# Altium PCB 10515.0500_Display_System（6拼版）_V1.0_20200907.PcbDoc (part 12 of 13)
Units mm, origin at the board's own origin, x right, y up, seen from the top; angles counter-clockwise.
Board outline 157 x 228.4 mm, 4 copper layers (Top Layer, Mid-Layer 1, Mid-Layer 2, Bottom Layer); 516 components, 0 nets, 1971 pads, 894 vias.
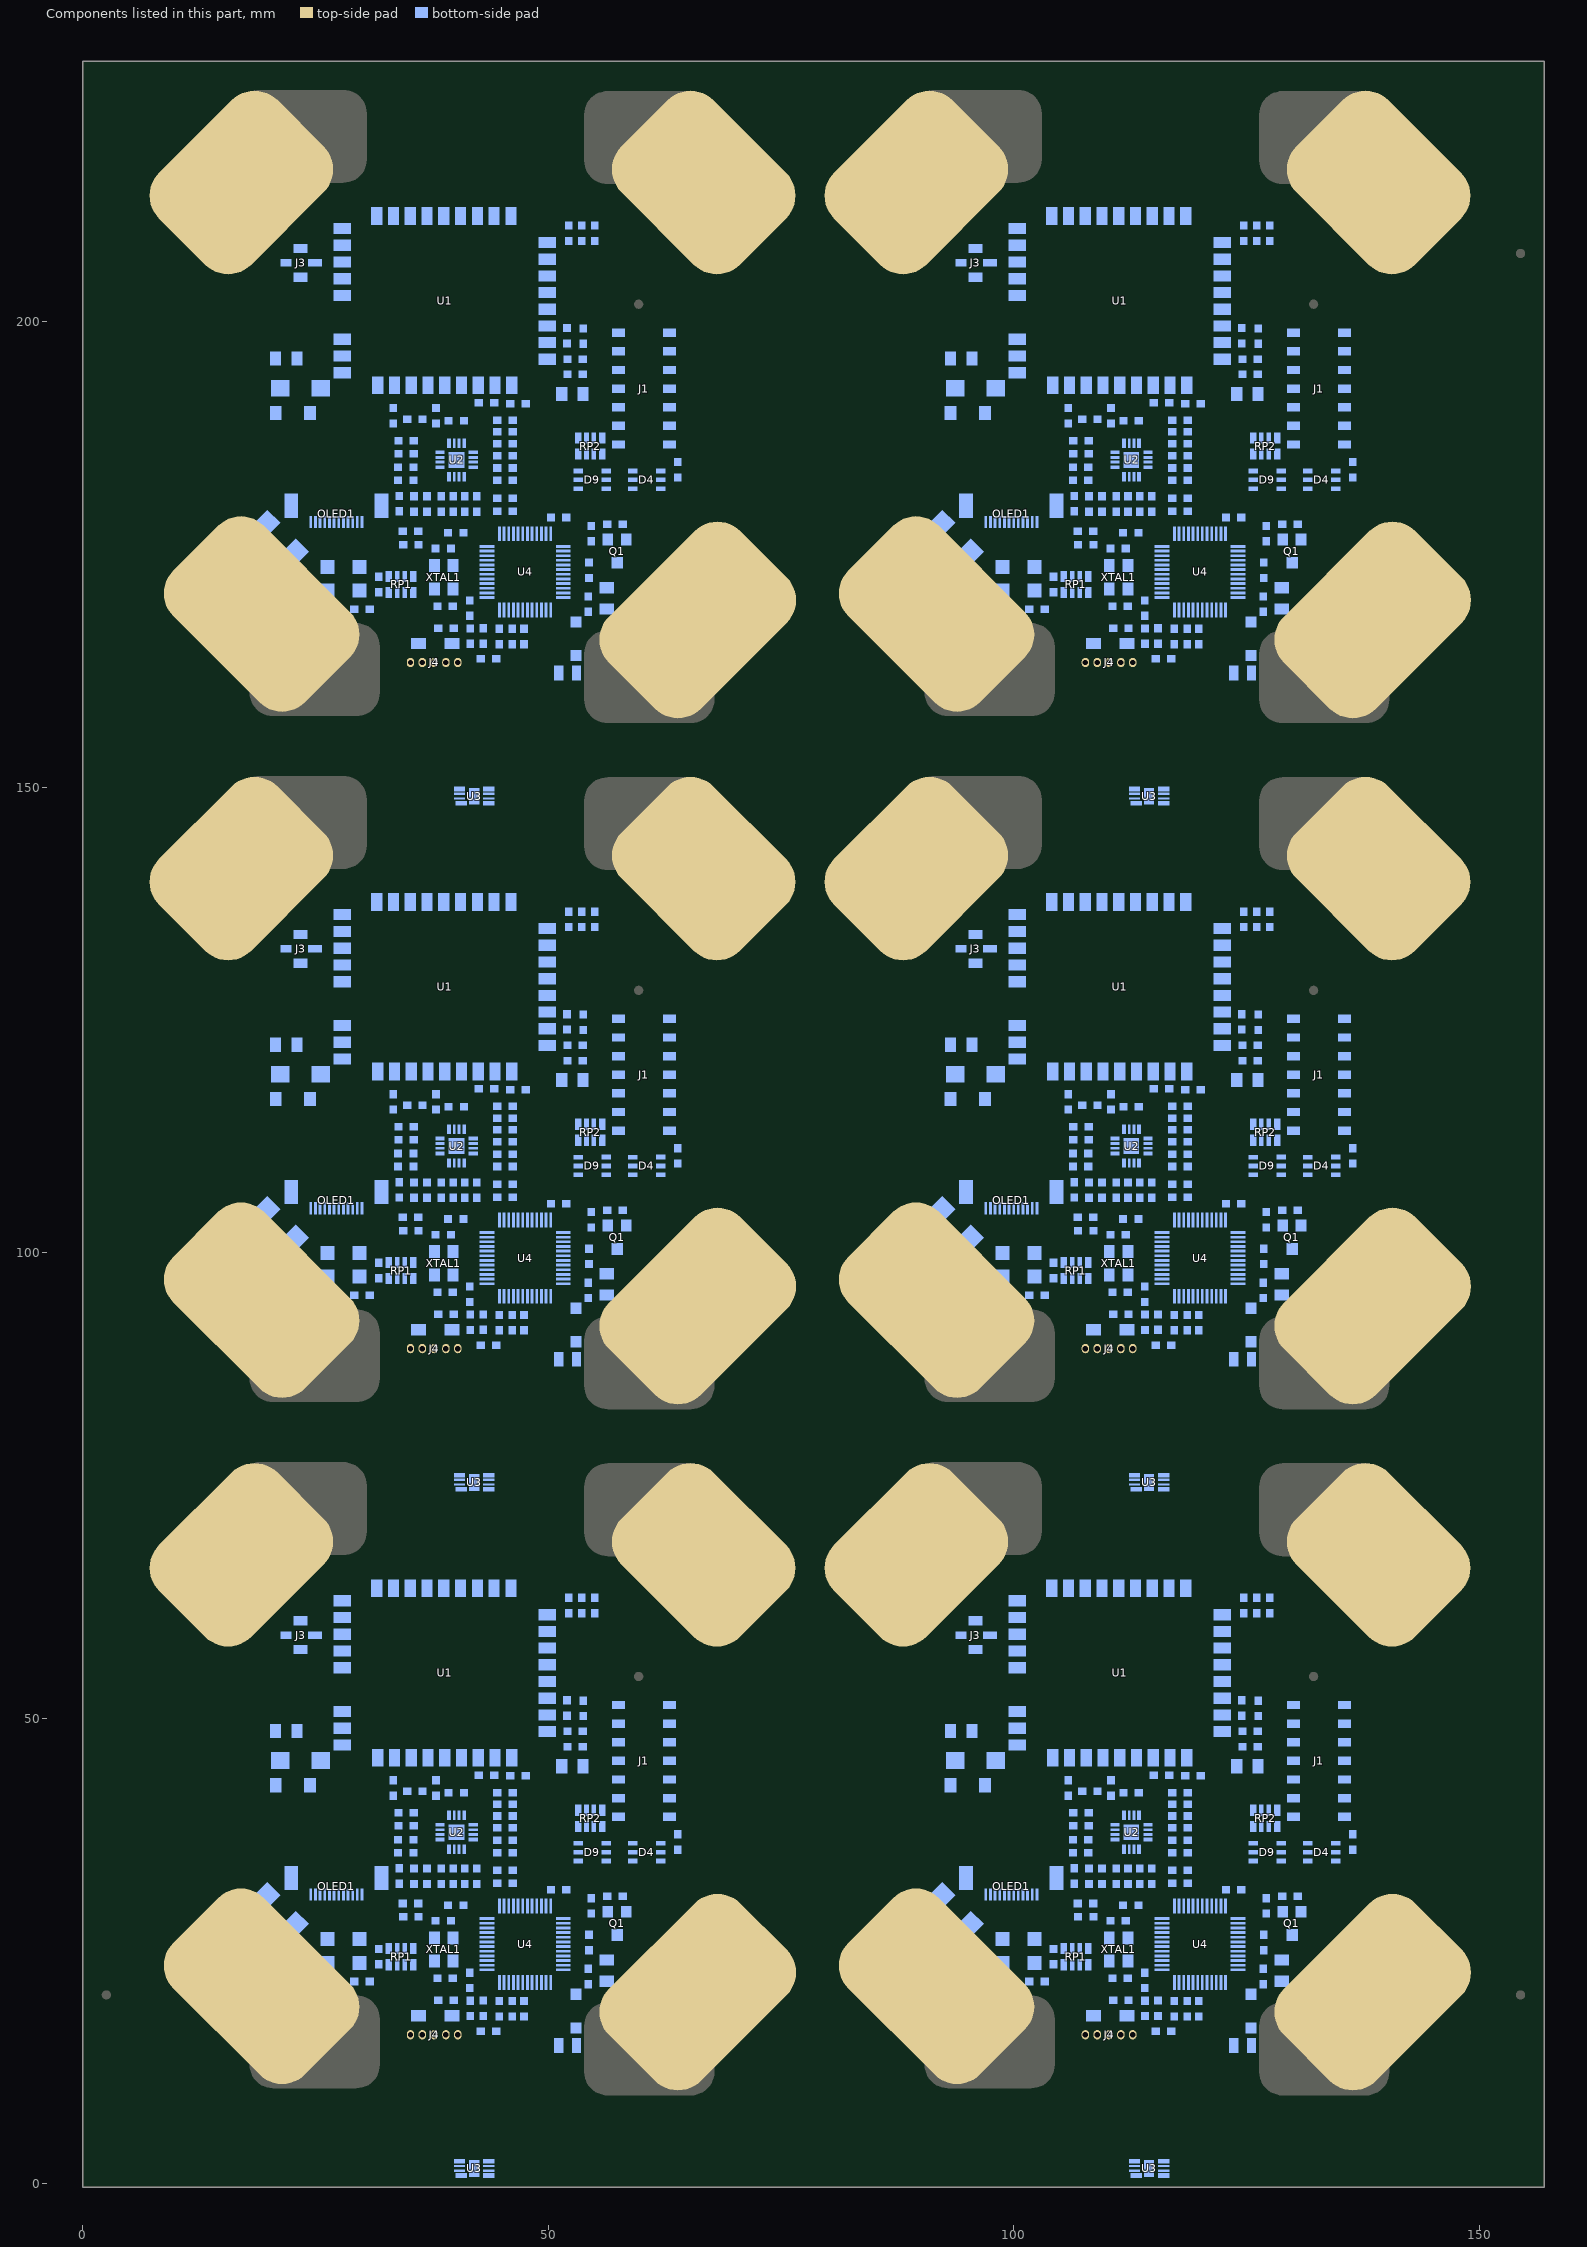
[diagram p14: the components of this part, seen from the top]

## Via types
v1: diameter 0.7, hole 0.4, Top Layer to Bottom Layer, tented both sides, 894 vias

## Nets (pads, with @x,y where several pads share a name; then routed paths per layer and width w, separated by ;. In a path a pad name is that pad's centre, name@x,y a point inside that pad or via, vN(x,y) a via of type N, cw(c..) or ccw(c..) an arc to the next point about the centre after c; other vN are vias at no path point) (continued)
copper on no net: (continued)
  Bottom Layer w0.65: 22.408,32.826 22.729,33.147 23.658,33.147 ; 22.408,106.526 22.729,106.847 23.658,106.847 ; 22.408,180.226 22.729,180.547 23.658,180.547 ; 22.579,33.591 24.103,33.591 ; 22.579,107.291 24.103,107.291 ; 22.579,180.991 24.103,180.991 ; 22.709,33.075 cw(c23.955,31.83) 23.955,33.591 ; 22.709,33.677 ccw(c23.866,34.834) 23.866,33.197 ; 22.709,106.775 cw(c23.955,105.53) 23.955,107.291 ; 22.709,107.377 ccw(c23.866,108.534) 23.866,106.897 ; 22.709,180.475 cw(c23.955,179.23) 23.955,180.991 ; 22.709,181.077 ccw(c23.866,182.234) 23.866,180.597 ; 22.757,33.618 ccw(c23.658,34.243) 23.658,33.147 ; 22.757,107.318 ccw(c23.658,107.943) 23.658,106.847 ; 22.757,181.018 ccw(c23.658,181.643) 23.658,180.547 ; 22.779,33.197 24.42,33.197 ; 22.779,106.897 24.42,106.897 ; 22.779,180.597 24.42,180.597 ; v1@23.768,36.304 cw(c22.192,34.729) 24.42,34.729 ; v1@23.768,36.34 ccw(c22.192,37.915) 24.42,37.915 ; v1@23.768,110.004 cw(c22.192,108.429) 24.42,108.429 ; v1@23.768,110.04 ccw(c22.192,111.615) 24.42,111.615 ; v1@23.768,183.704 cw(c22.192,182.129) 24.42,182.129 ; v1@23.768,183.74 ccw(c22.192,185.315) 24.42,185.315 ; 24.201,42.453 cw(c23.672,41.924) 24.42,41.924 cw(c25.169,41.924) 24.639,42.453 ; 24.201,116.153 cw(c23.672,115.624) 24.42,115.624 cw(c25.169,115.624) 24.639,116.153 ; 24.201,189.853 cw(c23.672,189.324) 24.42,189.324 cw(c25.169,189.324) 24.639,189.853 ; 24.42,33.909 24.103,33.591 ; 24.42,34.163 25.386,33.197 ; 24.42,42.799 24.42,33.197 ; 24.42,107.609 24.103,107.291 ; 24.42,107.863 25.386,106.897 ; 24.42,116.499 24.42,106.897 ; 24.42,181.309 24.103,180.991 ; 24.42,181.563 25.386,180.597 ; 24.42,190.199 24.42,180.597 ; v1@28.053,33.197 24.42,33.197 ; v1@28.053,106.897 24.42,106.897 ; v1@28.053,180.597 24.42,180.597 ; 29.429,24.024 ccw(c28.703,24.75) 29.729,24.75 ccw(c30.755,24.75) 30.03,24.024 ccw(c31.154,25.148) 31.154,23.558 ; 29.429,25.963 cw(c28.703,25.238) 29.729,25.238 cw(c30.755,25.238) 30.03,25.963 ; 29.429,97.724 ccw(c28.703,98.45) 29.729,98.45 ccw(c30.755,98.45) 30.03,97.724 ccw(c31.154,98.848) 31.154,97.258 ; 29.429,99.663 cw(c28.703,98.938) 29.729,98.938 cw(c30.755,98.938) 30.03,99.663 ; 29.429,171.424 ccw(c28.703,172.15) 29.729,172.15 ccw(c30.755,172.15) 30.03,171.424 ccw(c31.154,172.548) 31.154,170.958 ; 29.429,173.363 cw(c28.703,172.638) 29.729,172.638 cw(c30.755,172.638) 30.03,173.363 ; 29.729,26.264 29.729,23.724 29.894,23.558 31.786,23.558 ; 29.729,99.964 29.729,97.424 29.894,97.258 31.786,97.258 ; 29.729,173.664 29.729,171.124 29.894,170.958 31.786,170.958 ; v1(30.008,32.826) 32.108,32.826 ; v1(30.008,106.526) 32.108,106.526 ; v1(30.008,180.226) 32.108,180.226 ; 31.808,32.525 ccw(c31.082,31.8) 31.082,32.826 ccw(c31.082,33.852) 31.808,33.127 ; 31.808,106.225 ccw(c31.082,105.5) 31.082,106.526 ccw(c31.082,107.552) 31.808,106.827 ; 31.808,179.925 ccw(c31.082,179.2) 31.082,180.226 ccw(c31.082,181.252) 31.808,180.527 ; 33.844,33.884 35.558,33.884 35.596,33.846 36.993,33.846 ; 33.844,107.584 35.558,107.584 35.596,107.545 36.993,107.545 ; 33.844,181.284 35.558,181.284 35.596,181.245 36.993,181.245 ; 40.905,29.922 v1(40.905,30.836) ; 40.905,103.622 v1(40.905,104.536) ; 40.905,177.322 v1(40.905,178.236) ; 42.327,33.846 42.391,33.909 v1(43.216,33.909) ; 42.327,107.545 42.391,107.609 v1(43.216,107.609) ; 42.327,181.245 42.391,181.309 v1(43.216,181.309) ; 44.867,17.97 46.137,17.97 v1@46.137,17.272 ; 44.867,91.67 46.137,91.67 v1@46.137,90.972 ; 44.867,165.37 46.137,165.37 v1@46.137,164.672 ; 46.137,17.819 ccw(c47.065,17.819) v1@46.409,17.163 ; 46.137,91.519 ccw(c47.065,91.519) v1@46.409,90.863 ; 46.137,165.219 ccw(c47.065,165.219) v1@46.409,164.563 ; v1(49.566,44.45) 51.07,44.45 51.461,44.841 52.081,45.461 52.081,46.94 ; v1(49.566,118.15) 51.07,118.15 51.461,118.541 52.081,119.161 52.081,120.64 ; v1(49.566,191.85) 51.07,191.85 51.461,192.241 52.081,192.861 52.081,194.34 ; 49.898,50.357 49.989,50.267 52.029,50.267 52.081,50.215 52.081,48.591 52.081,46.94 ; 49.898,124.057 49.989,123.967 52.029,123.967 52.081,123.915 52.081,122.291 52.081,120.64 ; 49.898,197.757 49.989,197.667 52.029,197.667 52.081,197.615 52.081,195.991 52.081,194.34 ; 50.245,44.45 ccw(c50.245,45.896) 51.267,44.873 ; 50.245,118.15 ccw(c50.245,119.596) 51.267,118.573 ; 50.245,191.85 ccw(c50.245,193.296) 51.267,192.273 ; 50.443,50.551 ccw(c51.13,51.239) 51.13,50.267 ; 50.443,124.251 ccw(c51.13,124.939) 51.13,123.967 ; 50.443,197.951 ccw(c51.13,198.639) 51.13,197.667 ; 51.283,45.212 ccw(c49.812,46.94) 52.081,46.94 ; 51.283,118.912 ccw(c49.812,120.64) 52.081,120.64 ; 51.283,192.612 ccw(c49.812,194.34) 52.081,194.34 ; 51.704,44.717 ccw(c51.01,45.533) 52.081,45.533 ; 51.704,118.417 ccw(c51.01,119.233) 52.081,119.233 ; 51.704,192.117 ccw(c51.01,192.933) 52.081,192.933 ; 53.534,44.695 ccw(c54.386,45.926) 55.444,44.867 ; 53.534,118.395 ccw(c54.386,119.626) 55.444,118.567 ; 53.534,192.095 ccw(c54.386,193.326) 55.444,192.267 ; 53.553,44.485 cw(c53.083,44.015) 53.747,44.015 cw(c54.411,44.015) 53.942,44.485 ; 53.553,45.197 ccw(c53.083,45.667) 53.747,45.667 ccw(c54.411,45.667) 53.942,45.197 ; 53.553,118.185 cw(c53.083,117.715) 53.747,117.715 cw(c54.411,117.715) 53.942,118.185 ; 53.553,118.897 ccw(c53.083,119.367) 53.747,119.367 ccw(c54.411,119.367) 53.942,118.897 ; 53.553,191.885 cw(c53.083,191.415) 53.747,191.415 cw(c54.411,191.415) 53.942,191.885 ; 53.553,192.597 ccw(c53.083,193.067) 53.747,193.067 ccw(c54.411,193.067) 53.942,192.597 ; 53.732,50.203 53.747,50.188 53.747,44.841 ; 53.732,123.903 53.747,123.888 53.747,118.541 ; 53.732,197.603 53.747,197.588 53.747,192.241 ; v1@53.747,43.561 53.747,44.841 ; v1@53.747,43.571 54.025,43.293 55.267,43.293 57.392,45.418 ; v1@53.747,117.261 53.747,118.541 ; v1@53.747,117.271 54.025,116.993 55.267,116.993 57.392,119.118 ; v1@53.747,190.961 53.747,192.241 ; v1@53.747,190.971 54.025,190.693 55.267,190.693 57.392,192.818 ; v1(53.757,43.561) 54.9,43.561 ; v1(53.757,117.261) 54.9,117.261 ; v1(53.757,190.961) 54.9,190.961 ; v1@53.775,43.579 ccw(c54.465,44.268) v1@54.465,43.293 ; v1@53.775,117.279 ccw(c54.465,117.968) v1@54.465,116.993 ; v1@53.775,190.979 ccw(c54.465,191.668) v1@54.465,190.693 ; v1@53.779,43.549 cw(c54.602,43.075) 54.602,44.025 ; v1@53.779,117.249 cw(c54.602,116.775) 54.602,117.725 ; v1@53.779,190.949 cw(c54.602,190.475) 54.602,191.425 ; v1@53.846,43.561 cw(c53.846,42.633) v1@54.502,43.289 ; v1@53.846,117.261 cw(c53.846,116.333) v1@54.502,116.989 ; v1@53.846,190.961 cw(c53.846,190.033) v1@54.502,190.689 ; 53.904,45.229 ccw(c54.836,46.577) 55.995,45.418 ; 53.904,118.929 ccw(c54.836,120.277) 55.995,119.118 ; 53.904,192.629 ccw(c54.836,193.977) 55.995,192.818 ; v1@54.543,43.299 cw(c54.9,43.186) 54.9,43.561 ; v1@54.543,116.999 cw(c54.9,116.886) 54.9,117.261 ; v1@54.543,190.699 cw(c54.9,190.586) 54.9,190.961 ; v1@54.583,43.244 cw(c54.949,42.877) v1@55.266,43.287 ; v1@54.583,116.944 cw(c54.949,116.577) v1@55.266,116.987 ; v1@54.583,190.644 cw(c54.949,190.277) v1@55.266,190.687 ; v1@54.608,43.561 cw(c54.608,42.633) v1@55.264,43.289 ; v1@54.608,117.261 cw(c54.608,116.333) v1@55.264,116.989 ; v1@54.608,190.961 cw(c54.608,190.033) v1@55.264,190.689 ; 54.877,20.32 56.307,21.751 ; 54.877,94.02 56.307,95.451 ; 54.877,167.72 56.307,169.151 ; v1@55.257,43.299 ccw(c54.9,43.186) 54.9,43.561 ; v1@55.257,116.999 ccw(c54.9,116.886) 54.9,117.261 ; v1@55.257,190.699 ccw(c54.9,190.586) 54.9,190.961 ; v1@55.306,43.307 cw(c56.9,43.307) 55.773,44.434 ; v1@55.306,117.007 cw(c56.9,117.007) 55.773,118.134 ; v1@55.306,190.707 cw(c56.9,190.707) 55.773,191.834 ; 55.561,21.005 ccw(c54.815,21.751) 55.87,21.751 ; 55.561,94.705 ccw(c54.815,95.451) 55.87,95.451 ; 55.561,168.405 ccw(c54.815,169.151) 55.87,169.151 ; 55.924,24.2 cw(c55.281,24.675) v1(55.281,23.876) 56.147,23.876 56.307,24.037 ; 55.924,97.9 cw(c55.281,98.375) v1(55.281,97.576) 56.147,97.576 56.307,97.737 ; 55.924,171.6 cw(c55.281,172.075) v1(55.281,171.276) 56.147,171.276 56.307,171.437 ; 56.166,44.827 cw(c57.292,43.701) 57.292,45.293 ; 56.166,118.527 cw(c57.292,117.401) 57.292,118.993 ; 56.166,192.227 cw(c57.292,191.101) 57.292,192.693 ; 56.469,22.026 ccw(c56.469,22.969) 57.136,22.302 ; 56.469,95.726 ccw(c56.469,96.669) 57.136,96.002 ; 56.469,169.426 ccw(c56.469,170.369) 57.136,169.702 ; 56.47,24.312 ccw(c56.473,25.859) v1@57.567,24.765 ; 56.47,98.012 ccw(c56.473,99.559) v1@57.567,98.465 ; 56.47,171.712 ccw(c56.473,173.259) v1@57.567,172.165 ; 56.617,24.346 cw(c57.567,23.396) v1@57.567,24.74 ; 56.617,98.046 cw(c57.567,97.096) v1@57.567,98.44 ; 56.617,171.746 cw(c57.567,170.796) v1@57.567,172.14 ; 56.657,21.823 cw(c57.567,20.913) v1@57.567,22.2 ; 56.657,95.523 cw(c57.567,94.613) v1@57.567,95.9 ; 56.657,169.223 cw(c57.567,168.313) v1@57.567,169.6 ; 56.744,24.037 cw(c57.799,24.037) 57.053,24.783 ; 56.744,97.737 cw(c57.799,97.737) 57.053,98.483 ; 56.744,171.437 cw(c57.799,171.437) 57.053,172.183 ; 56.839,21.751 56.307,21.751 ; 56.839,95.451 56.307,95.451 ; 56.839,169.151 56.307,169.151 ; 57.007,45.033 ccw(c56.622,45.418) 57.167,45.418 ; 57.007,118.733 ccw(c56.622,119.118) 57.167,119.118 ; 57.007,192.433 ccw(c56.622,192.818) 57.167,192.818 ; 57.149,24.346 ccw(c56.198,25.297) v1@57.542,25.297 ; 57.149,98.046 ccw(c56.198,98.997) v1@57.542,98.997 ; 57.149,171.746 ccw(c56.198,172.697) v1@57.542,172.697 ; 57.542,47.418 63.054,47.418 ; 57.542,121.118 63.054,121.118 ; 57.542,194.818 63.054,194.818 ; v1@57.567,22.098 v1(57.567,22.733) 56.585,21.751 56.307,21.751 ; v1@57.567,95.798 v1(57.567,96.433) 56.585,95.451 56.307,95.451 ; v1@57.567,169.498 v1(57.567,170.133) 56.585,169.151 56.307,169.151 ; 94.908,32.826 95.229,33.147 96.158,33.147 ; 94.908,106.526 95.229,106.847 96.158,106.847 ; 94.908,180.226 95.229,180.547 96.158,180.547 ; 95.079,33.591 96.603,33.591 ; 95.079,107.291 96.603,107.291 ; 95.079,180.991 96.603,180.991 ; 95.209,33.075 cw(c96.455,31.83) 96.455,33.591 ; 95.209,33.677 ccw(c96.366,34.834) 96.366,33.197 ; 95.209,106.775 cw(c96.455,105.53) 96.455,107.291 ; 95.209,107.377 ccw(c96.366,108.534) 96.366,106.897 ; 95.209,180.475 cw(c96.455,179.23) 96.455,180.991 ; 95.209,181.077 ccw(c96.366,182.234) 96.366,180.597 ; 95.257,33.618 ccw(c96.158,34.243) 96.158,33.147 ; 95.257,107.318 ccw(c96.158,107.943) 96.158,106.847 ; 95.257,181.018 ccw(c96.158,181.643) 96.158,180.547 ; 95.279,33.197 96.92,33.197 ; 95.279,106.897 96.92,106.897 ; 95.279,180.597 96.92,180.597 ; v1@96.268,36.304 cw(c94.692,34.729) 96.92,34.729 ; v1@96.268,36.34 ccw(c94.692,37.915) 96.92,37.915 ; v1@96.268,110.004 cw(c94.692,108.429) 96.92,108.429 ; v1@96.268,110.04 ccw(c94.692,111.615) 96.92,111.615 ; v1@96.268,183.704 cw(c94.692,182.129) 96.92,182.129 ; v1@96.268,183.74 ccw(c94.692,185.315) 96.92,185.315 ; 96.701,42.453 cw(c96.172,41.924) 96.92,41.924 cw(c97.669,41.924) 97.139,42.453 ; 96.701,116.153 cw(c96.172,115.624) 96.92,115.624 cw(c97.669,115.624) 97.139,116.153 ; 96.701,189.853 cw(c96.172,189.324) 96.92,189.324 cw(c97.669,189.324) 97.139,189.853 ; 96.92,33.909 96.603,33.591 ; 96.92,34.163 97.886,33.197 ; 96.92,42.799 96.92,33.197 ; 96.92,107.609 96.603,107.291 ; 96.92,107.863 97.886,106.897 ; 96.92,116.499 96.92,106.897 ; 96.92,181.309 96.603,180.991 ; 96.92,181.563 97.886,180.597 ; 96.92,190.199 96.92,180.597 ; v1@100.553,33.197 96.92,33.197 ; v1@100.553,106.897 96.92,106.897 ; v1@100.553,180.597 96.92,180.597 ; 101.929,24.024 ccw(c101.203,24.75) 102.229,24.75 ccw(c103.255,24.75) 102.53,24.024 ccw(c103.654,25.148) 103.654,23.558 ; 101.929,25.963 cw(c101.203,25.238) 102.229,25.238 cw(c103.255,25.238) 102.53,25.963 ; 101.929,97.724 ccw(c101.203,98.45) 102.229,98.45 ccw(c103.255,98.45) 102.53,97.724 ccw(c103.654,98.848) 103.654,97.258 ; 101.929,99.663 cw(c101.203,98.938) 102.229,98.938 cw(c103.255,98.938) 102.53,99.663 ; 101.929,171.424 ccw(c101.203,172.15) 102.229,172.15 ccw(c103.255,172.15) 102.53,171.424 ccw(c103.654,172.548) 103.654,170.958 ; 101.929,173.363 cw(c101.203,172.638) 102.229,172.638 cw(c103.255,172.638) 102.53,173.363 ; 102.229,26.264 102.229,23.724 102.394,23.558 104.286,23.558 ; 102.229,99.964 102.229,97.424 102.394,97.258 104.286,97.258 ; 102.229,173.664 102.229,171.124 102.394,170.958 104.286,170.958 ; v1(102.508,32.826) 104.608,32.826 ; v1(102.508,106.526) 104.608,106.526 ; v1(102.508,180.226) 104.608,180.226 ; 104.308,32.525 ccw(c103.582,31.8) 103.582,32.826 ccw(c103.582,33.852) 104.308,33.127 ; 104.308,106.225 ccw(c103.582,105.5) 103.582,106.526 ccw(c103.582,107.552) 104.308,106.827 ; 104.308,179.925 ccw(c103.582,179.2) 103.582,180.226 ccw(c103.582,181.252) 104.308,180.527 ; 106.344,33.884 108.058,33.884 108.096,33.846 109.493,33.846 ; 106.344,107.584 108.058,107.584 108.096,107.545 109.493,107.545 ; 106.344,181.284 108.058,181.284 108.096,181.245 109.493,181.245 ; 113.405,29.922 v1(113.405,30.836) ; 113.405,103.622 v1(113.405,104.536) ; 113.405,177.322 v1(113.405,178.236) ; 114.827,33.846 114.891,33.909 v1(115.716,33.909) ; 114.827,107.545 114.891,107.609 v1(115.716,107.609) ; 114.827,181.245 114.891,181.309 v1(115.716,181.309) ; 117.367,17.97 118.637,17.97 v1@118.637,17.272 ; 117.367,91.67 118.637,91.67 v1@118.637,90.972 ; 117.367,165.37 118.637,165.37 v1@118.637,164.672 ; 118.637,17.819 ccw(c119.565,17.819) v1@118.909,17.163 ; 118.637,91.519 ccw(c119.565,91.519) v1@118.909,90.863 ; 118.637,165.219 ccw(c119.565,165.219) v1@118.909,164.563 ; v1(122.066,44.45) 123.57,44.45 123.961,44.841 124.581,45.461 124.581,46.94 ; v1(122.066,118.15) 123.57,118.15 123.961,118.541 124.581,119.161 124.581,120.64 ; v1(122.066,191.85) 123.57,191.85 123.961,192.241 124.581,192.861 124.581,194.34 ; 122.398,50.357 122.489,50.267 124.529,50.267 124.581,50.215 124.581,48.591 124.581,46.94 ; 122.398,124.057 122.489,123.967 124.529,123.967 124.581,123.915 124.581,122.291 124.581,120.64 ; 122.398,197.757 122.489,197.667 124.529,197.667 124.581,197.615 124.581,195.991 124.581,194.34 ; 122.745,44.45 ccw(c122.745,45.896) 123.767,44.873 ; 122.745,118.15 ccw(c122.745,119.596) 123.767,118.573 ; 122.745,191.85 ccw(c122.745,193.296) 123.767,192.273 ; 122.943,50.551 ccw(c123.63,51.239) 123.63,50.267 ; 122.943,124.251 ccw(c123.63,124.939) 123.63,123.967 ; 122.943,197.951 ccw(c123.63,198.639) 123.63,197.667 ; 123.783,45.212 ccw(c122.312,46.94) 124.581,46.94 ; 123.783,118.912 ccw(c122.312,120.64) 124.581,120.64 ; 123.783,192.612 ccw(c122.312,194.34) 124.581,194.34 ; 124.204,44.717 ccw(c123.51,45.533) 124.581,45.533 ; 124.204,118.417 ccw(c123.51,119.233) 124.581,119.233 ; 124.204,192.117 ccw(c123.51,192.933) 124.581,192.933 ; 126.034,44.695 ccw(c126.886,45.926) 127.944,44.867 ; 126.034,118.395 ccw(c126.886,119.626) 127.944,118.567 ; 126.034,192.095 ccw(c126.886,193.326) 127.944,192.267 ; 126.053,44.485 cw(c125.583,44.015) 126.247,44.015 cw(c126.911,44.015) 126.442,44.485 ; 126.053,45.197 ccw(c125.583,45.667) 126.247,45.667 ccw(c126.911,45.667) 126.442,45.197 ; 126.053,118.185 cw(c125.583,117.715) 126.247,117.715 cw(c126.911,117.715) 126.442,118.185 ; 126.053,118.897 ccw(c125.583,119.367) 126.247,119.367 ccw(c126.911,119.367) 126.442,118.897 ; 126.053,191.885 cw(c125.583,191.415) 126.247,191.415 cw(c126.911,191.415) 126.442,191.885 ; 126.053,192.597 ccw(c125.583,193.067) 126.247,193.067 ccw(c126.911,193.067) 126.442,192.597 ; 126.232,50.203 126.247,50.188 126.247,44.841 ; 126.232,123.903 126.247,123.888 126.247,118.541 ; 126.232,197.603 126.247,197.588 126.247,192.241 ; v1@126.247,43.561 126.247,44.841 ; v1@126.247,43.571 126.525,43.293 127.767,43.293 129.892,45.418 ; v1@126.247,117.261 126.247,118.541 ; v1@126.247,117.271 126.525,116.993 127.767,116.993 129.892,119.118 ; v1@126.247,190.961 126.247,192.241 ; v1@126.247,190.971 126.525,190.693 127.767,190.693 129.892,192.818 ; v1(126.257,43.561) 127.4,43.561 ; v1(126.257,117.261) 127.4,117.261 ; v1(126.257,190.961) 127.4,190.961 ; v1@126.275,43.579 ccw(c126.965,44.268) v1@126.965,43.293 ; v1@126.275,117.279 ccw(c126.965,117.968) v1@126.965,116.993 ; v1@126.275,190.979 ccw(c126.965,191.668) v1@126.965,190.693 ; v1@126.279,43.549 cw(c127.102,43.075) 127.102,44.025 ; v1@126.279,117.249 cw(c127.102,116.775) 127.102,117.725 ; v1@126.279,190.949 cw(c127.102,190.475) 127.102,191.425 ; v1@126.346,43.561 cw(c126.346,42.633) v1@127.002,43.289 ; v1@126.346,117.261 cw(c126.346,116.333) v1@127.002,116.989 ; v1@126.346,190.961 cw(c126.346,190.033) v1@127.002,190.689 ; 126.404,45.229 ccw(c127.336,46.577) 128.495,45.418 ; 126.404,118.929 ccw(c127.336,120.277) 128.495,119.118 ; 126.404,192.629 ccw(c127.336,193.977) 128.495,192.818 ; v1@127.043,43.299 cw(c127.4,43.186) 127.4,43.561 ; v1@127.043,116.999 cw(c127.4,116.886) 127.4,117.261 ; v1@127.043,190.699 cw(c127.4,190.586) 127.4,190.961 ; v1@127.083,43.244 cw(c127.449,42.877) v1@127.766,43.287 ; v1@127.083,116.944 cw(c127.449,116.577) v1@127.766,116.987 ; v1@127.083,190.644 cw(c127.449,190.277) v1@127.766,190.687 ; v1@127.108,43.561 cw(c127.108,42.633) v1@127.764,43.289 ; v1@127.108,117.261 cw(c127.108,116.333) v1@127.764,116.989 ; v1@127.108,190.961 cw(c127.108,190.033) v1@127.764,190.689 ; 127.377,20.32 128.807,21.751 ; 127.377,94.02 128.807,95.451 ; 127.377,167.72 128.807,169.151 ; v1@127.757,43.299 ccw(c127.4,43.186) 127.4,43.561 ; v1@127.757,116.999 ccw(c127.4,116.886) 127.4,117.261 ; v1@127.757,190.699 ccw(c127.4,190.586) 127.4,190.961 ; v1@127.806,43.307 cw(c129.4,43.307) 128.273,44.434 ; v1@127.806,117.007 cw(c129.4,117.007) 128.273,118.134 ; v1@127.806,190.707 cw(c129.4,190.707) 128.273,191.834 ; 128.061,21.005 ccw(c127.315,21.751) 128.37,21.751 ; 128.061,94.705 ccw(c127.315,95.451) 128.37,95.451 ; 128.061,168.405 ccw(c127.315,169.151) 128.37,169.151 ; 128.424,24.2 cw(c127.781,24.675) v1(127.781,23.876) 128.647,23.876 128.807,24.037 ; 128.424,97.9 cw(c127.781,98.375) v1(127.781,97.576) 128.647,97.576 128.807,97.737 ; 128.424,171.6 cw(c127.781,172.075) v1(127.781,171.276) 128.647,171.276 128.807,171.437 ; 128.666,44.827 cw(c129.792,43.701) 129.792,45.293 ; 128.666,118.527 cw(c129.792,117.401) 129.792,118.993 ; 128.666,192.227 cw(c129.792,191.101) 129.792,192.693 ; 128.969,22.026 ccw(c128.969,22.969) 129.636,22.302 ; 128.969,95.726 ccw(c128.969,96.669) 129.636,96.002 ; 128.969,169.426 ccw(c128.969,170.369) 129.636,169.702 ; 128.97,24.312 ccw(c128.973,25.859) v1(130.067,24.765) ; 128.97,98.012 ccw(c128.973,99.559) v1(130.067,98.465) ; 128.97,171.712 ccw(c128.973,173.259) v1(130.067,172.165) ; 129.117,24.346 cw(c130.067,23.396) v1@130.067,24.74 ; 129.117,98.046 cw(c130.067,97.096) v1@130.067,98.44 ; 129.117,171.746 cw(c130.067,170.796) v1@130.067,172.14 ; 129.157,21.823 cw(c130.067,20.913) v1@130.067,22.2 ; 129.157,95.523 cw(c130.067,94.613) v1@130.067,95.9 ; 129.157,169.223 cw(c130.067,168.313) v1@130.067,169.6 ; 129.244,24.037 cw(c130.299,24.037) 129.553,24.783 ; 129.244,97.737 cw(c130.299,97.737) 129.553,98.483 ; 129.244,171.437 cw(c130.299,171.437) 129.553,172.183 ; 129.339,21.751 128.807,21.751 ; 129.339,95.451 128.807,95.451 ; 129.339,169.151 128.807,169.151 ; 129.507,45.033 ccw(c129.122,45.418) 129.667,45.418 ; 129.507,118.733 ccw(c129.122,119.118) 129.667,119.118 ; 129.507,192.433 ccw(c129.122,192.818) 129.667,192.818 ; 129.649,24.346 ccw(c128.698,25.297) v1@130.042,25.297 ; 129.649,98.046 ccw(c128.698,98.997) v1@130.042,98.997 ; 129.649,171.746 ccw(c128.698,172.697) v1@130.042,172.697 ; 130.042,47.418 135.554,47.418 ; 130.042,121.118 135.554,121.118 ; 130.042,194.818 135.554,194.818 ; v1@130.067,22.098 v1(130.067,22.733) 129.085,21.751 128.807,21.751 ; v1@130.067,95.798 v1(130.067,96.433) 129.085,95.451 128.807,95.451 ; v1@130.067,169.498 v1(130.067,170.133) 129.085,169.151 128.807,169.151 ; 23.658,33.147 24.103,33.591 ; 23.658,106.847 24.103,107.291 ; 23.658,180.547 24.103,180.991 ; 53.747,44.841 53.747,44.025 54.602,44.025 ; 53.747,118.541 53.747,117.725 54.602,117.725 ; 53.747,192.241 53.747,191.425 54.602,191.425 ; 54.602,44.025 55.995,45.418 ; 54.602,117.725 55.995,119.118 ; 54.602,191.425 55.995,192.818 ; 54.9,43.561 56.757,45.418 55.995,45.418 ; 54.9,117.261 56.757,119.118 55.995,119.118 ; 54.9,190.961 56.757,192.818 55.995,192.818 ; 56.307,24.037 v1(57.567,25.297) v1(57.567,24.765) ; 56.307,24.037 56.839,24.037 v1(57.567,24.765) 